# Altium PCB тройничок.PcbDoc (part 1 of 5)
Units mm, origin at the board's own origin, x right, y up, seen from the top; angles counter-clockwise.
Board outline 158.1 x 53.48 mm, 4 copper layers (Top Layer 1, Top Layer, Bottom Layer, Bottom Layer 1), stack 0.603 mm thick; 336 components, 130 nets, 2093 pads, 689 vias.
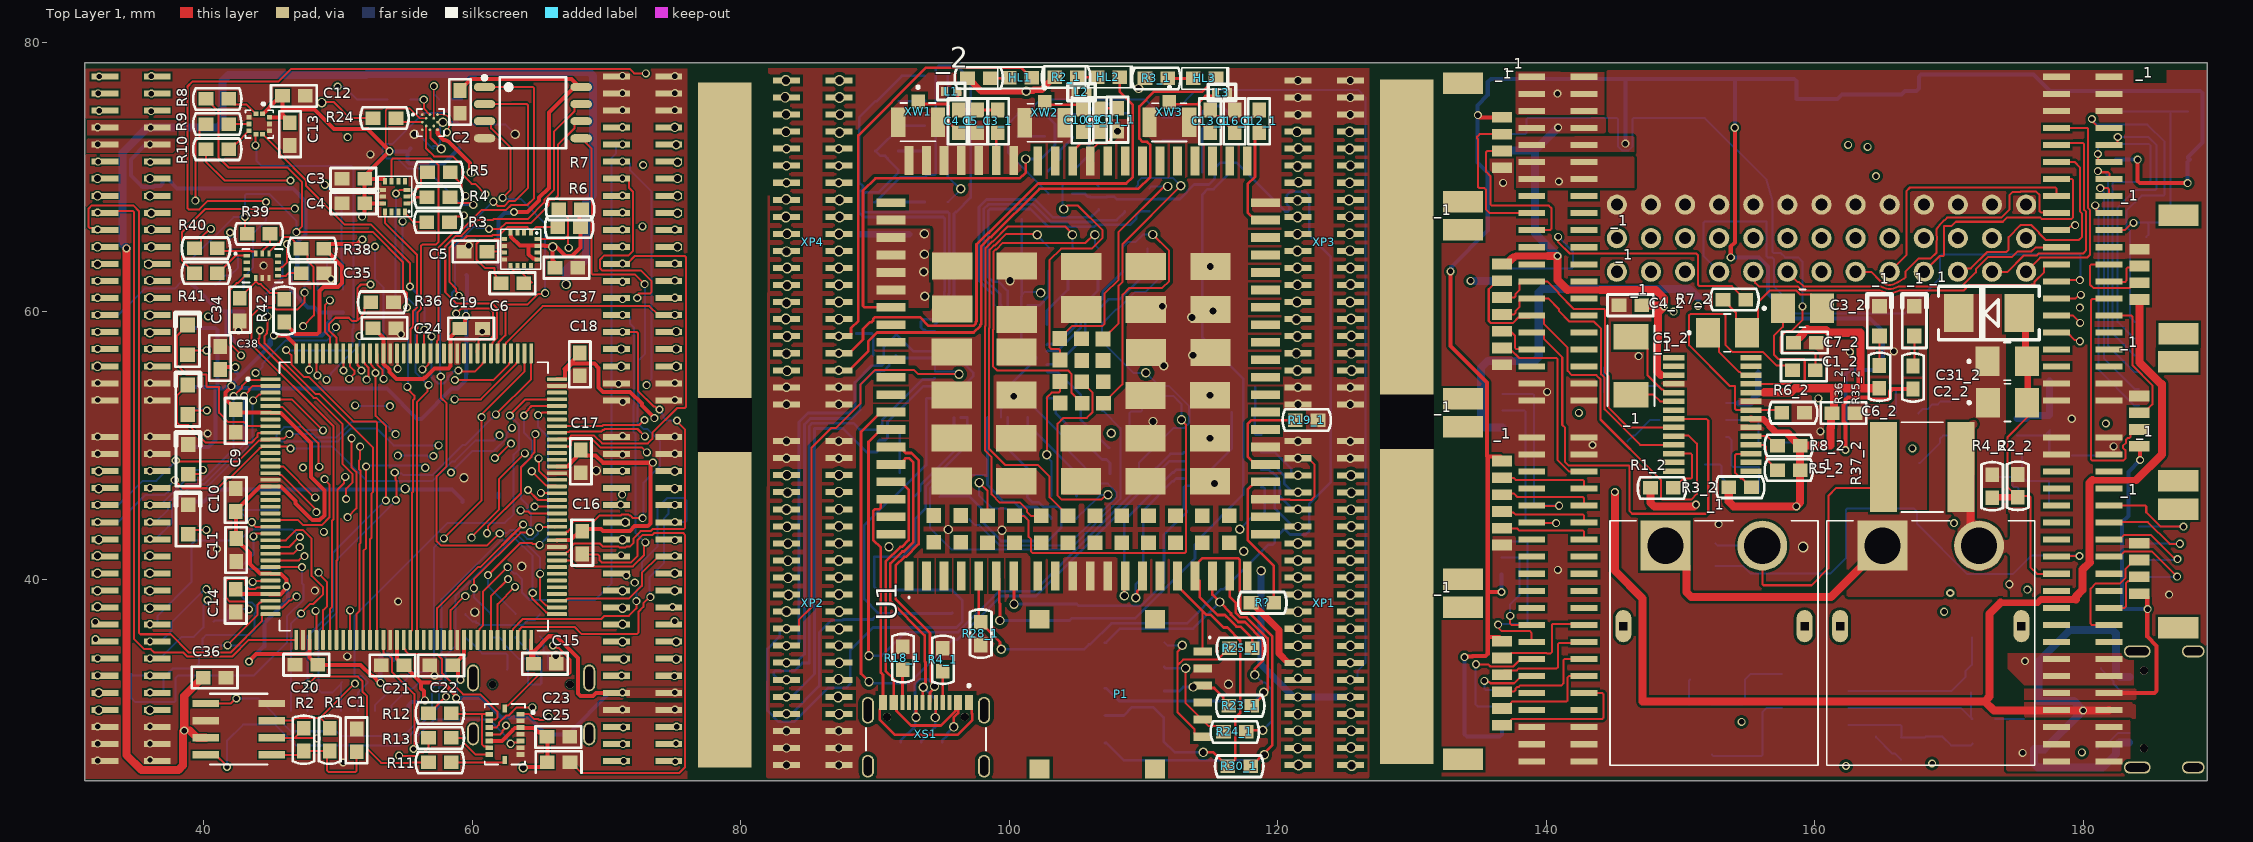
[diagram p0: Top Layer 1 view]
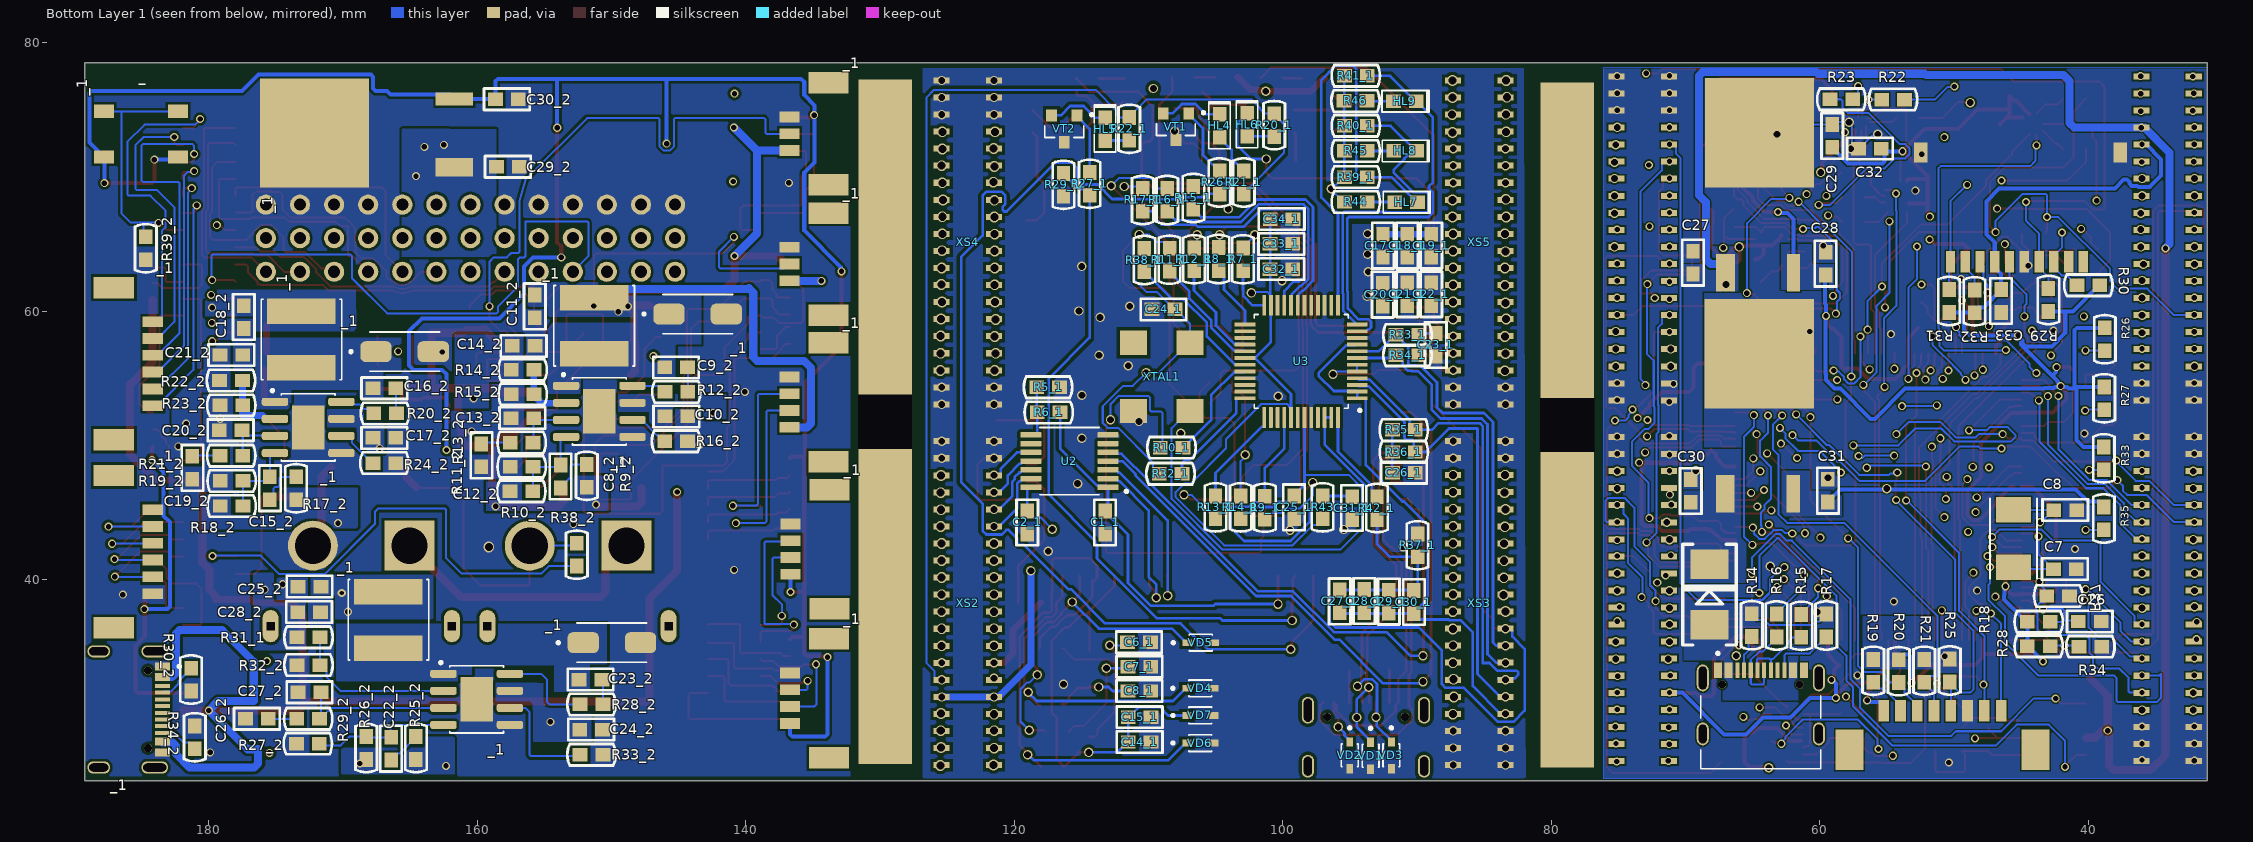
[diagram p1: Bottom Layer 1 view, seen from below]
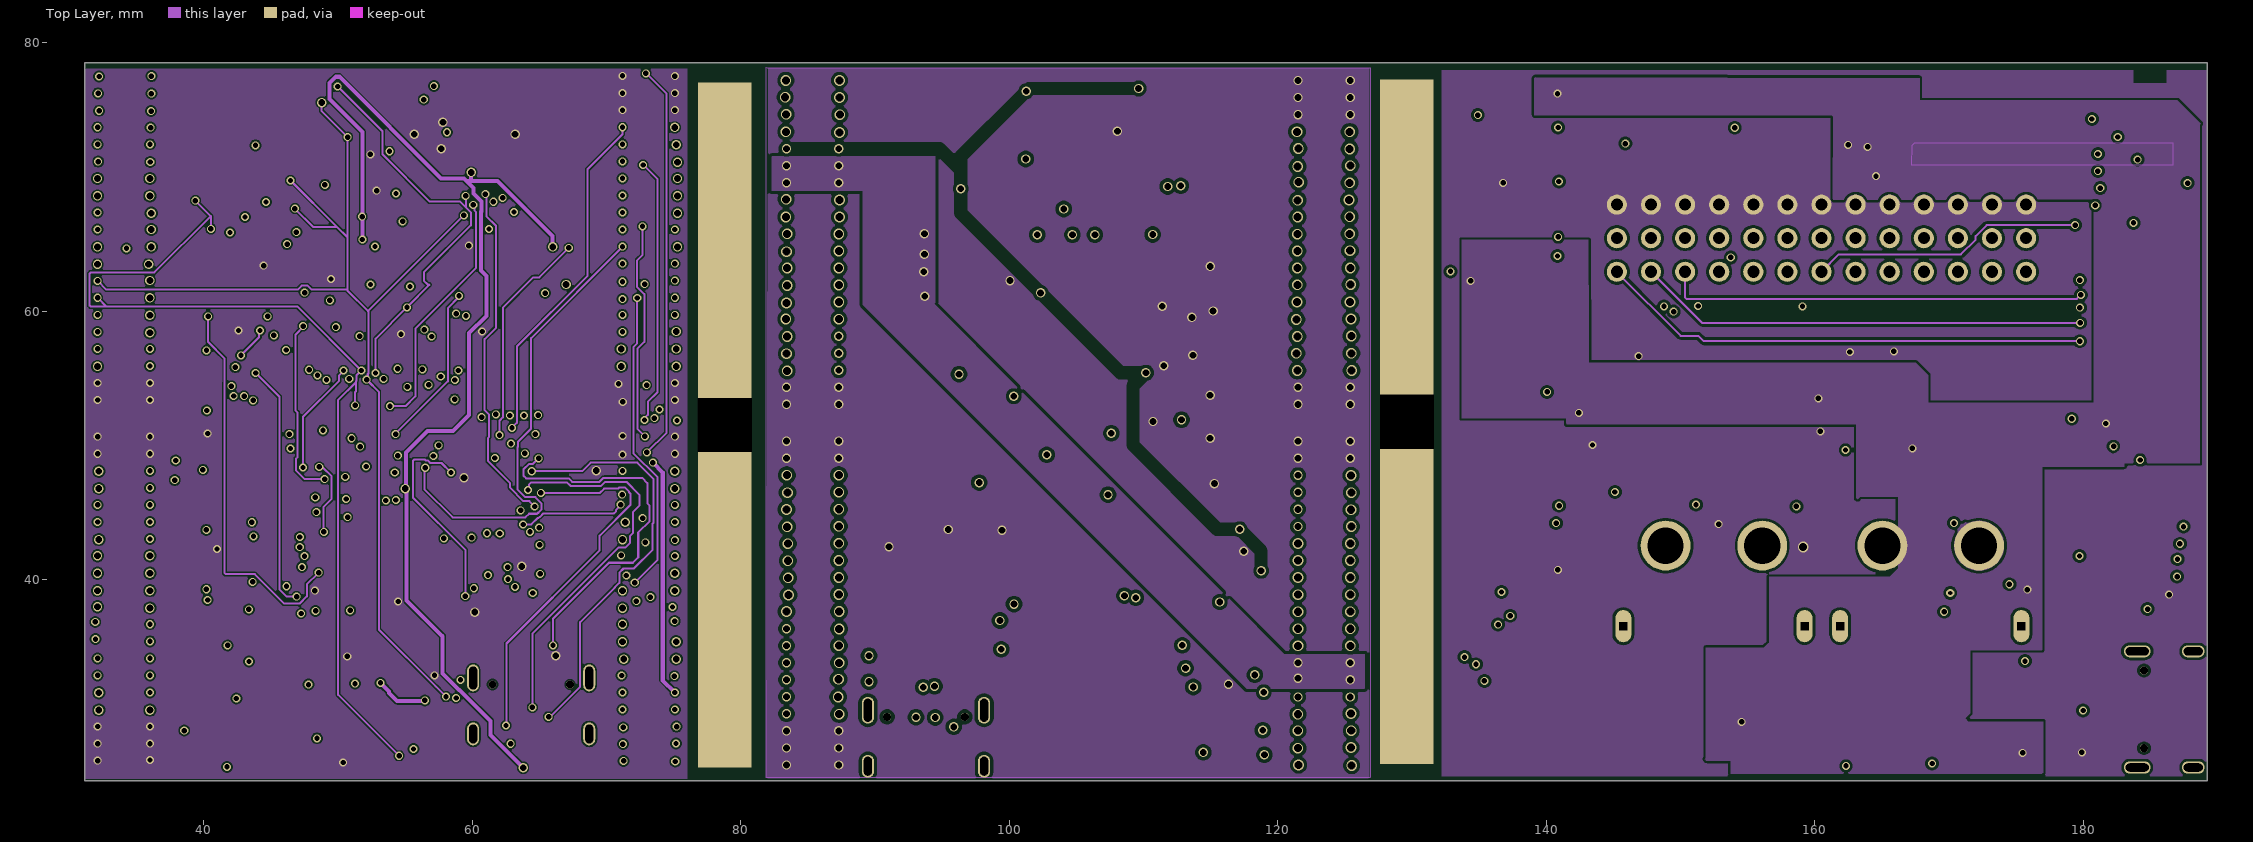
[diagram p2: Top Layer]
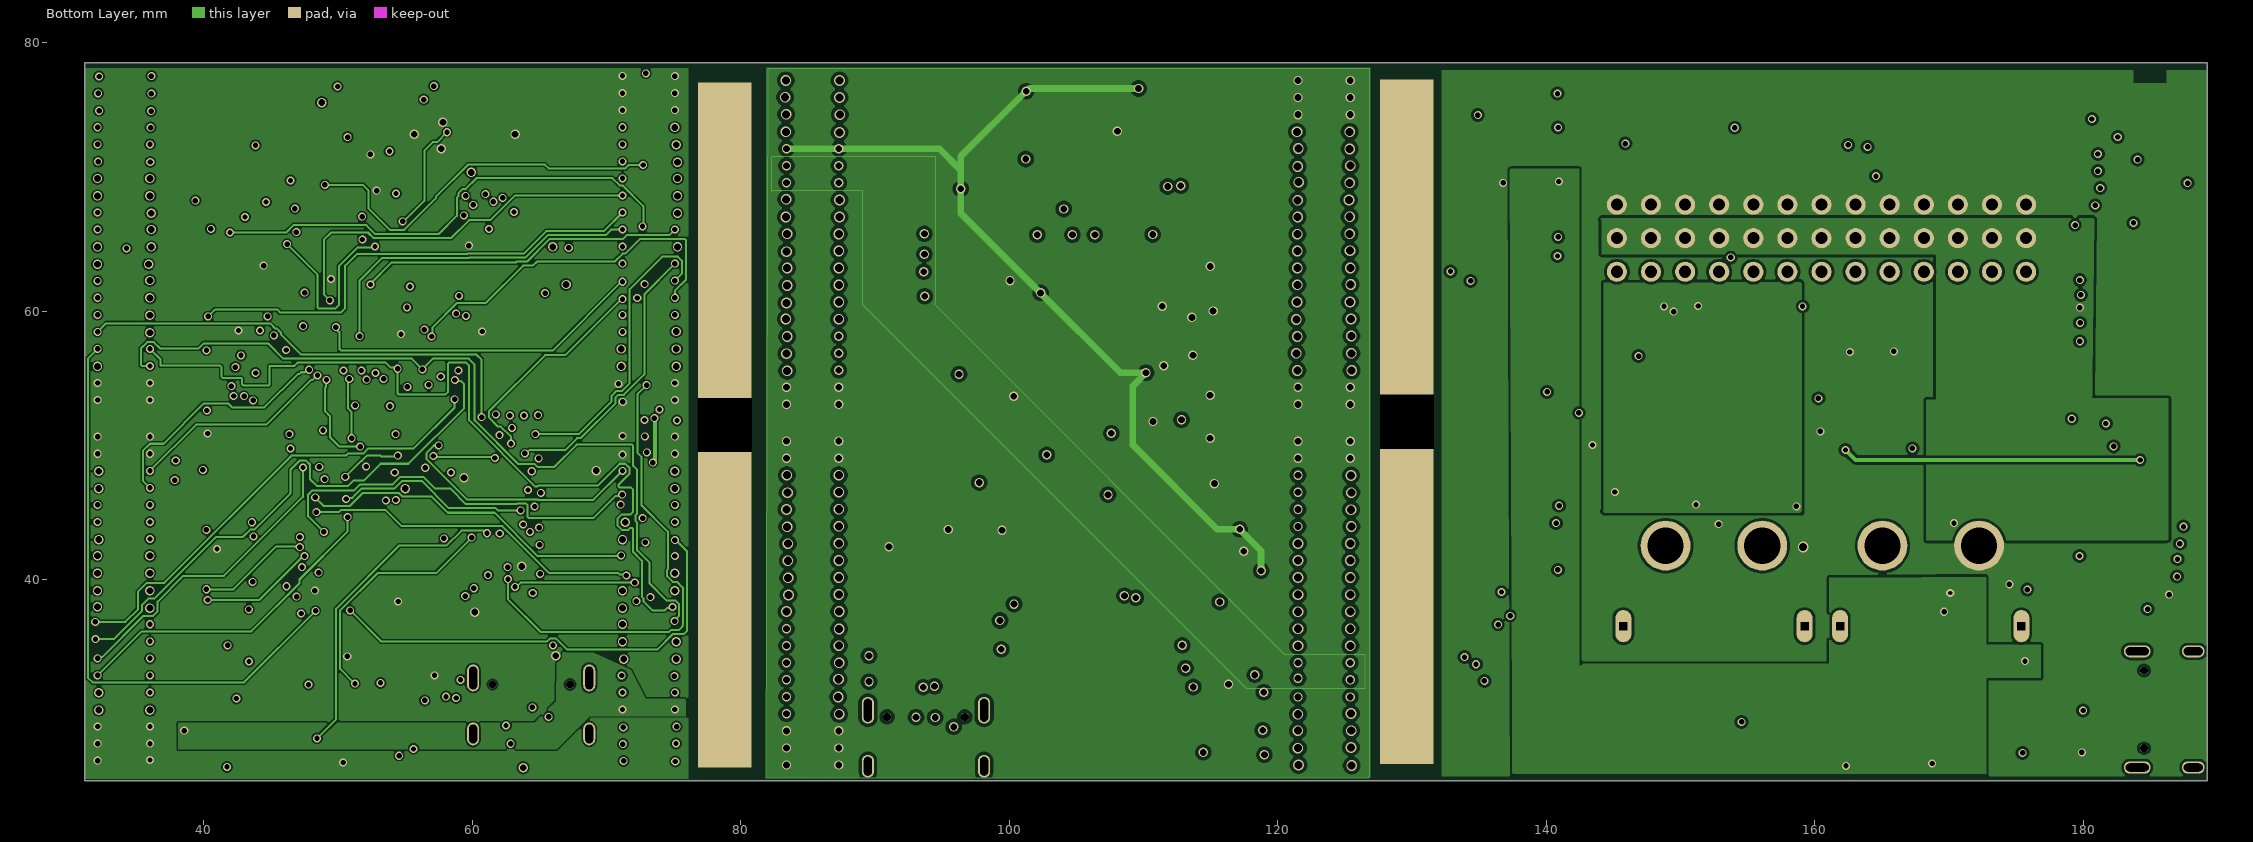
[diagram p3: Bottom Layer]
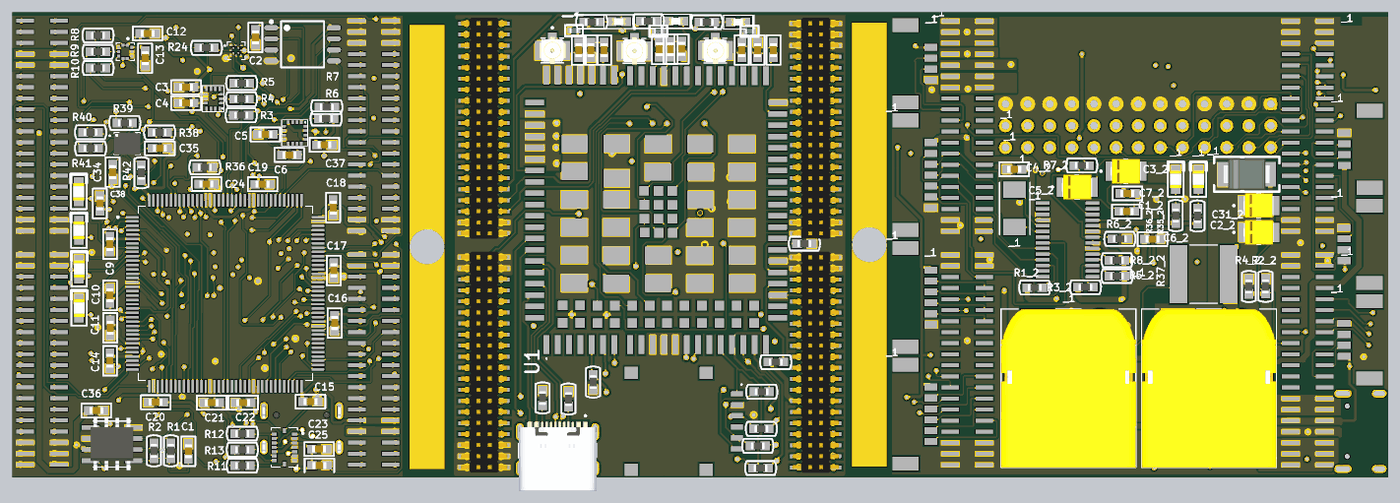
[diagram p8: 3D render of the assembled board from above, using the file's embedded part models]
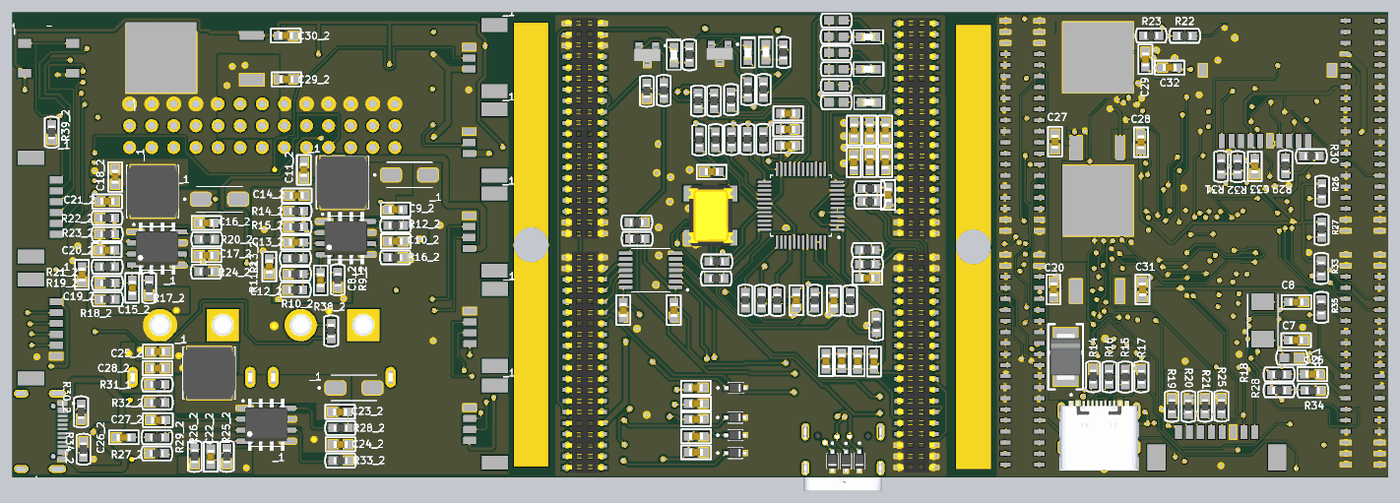
[diagram p9: 3D render of the assembled board from below, using the file's embedded part models]

## Layer stack, top to bottom
Top Solder: solder mask 0.0102, Solder Resist, Dk 3.5
Top Layer 1: signal copper 0.035
Dielectric 2: prepreg 0.0711, PP-006, Dk 4.1
Top Layer: signal copper 0.0356
Dielectric 1: dielectric 0.32, FR-4, Dk 4.8
Bottom Layer: signal copper 0.0356
Dielectric 3: prepreg 0.0711, PP-006, Dk 4.1
Bottom Layer 1: signal copper 0.035
Bottom Solder: solder mask 0.0102, Solder Resist, Dk 3.5

## Board outline
31.15,25.025 189.25,25.025 189.25,78.5 31.15,78.5

## Design rules (kind name [scope] priority, off if disabled: settings)
Clearance [All] p1: gap=0.125 ignorepadtopadclearanceinfootprint=FALSE except(0: Arc-Hole Track-Hole SMDPad-Hole THPad-Hole Via-Hole Fill-Hole Poly-Hole Region-Hole Text-Hole; 0.2: Arc-Region Track-Region SMDPad-Region THPad-Region Via-Region Fill-Region Poly-Region Region-Region)
PolygonConnect [All] p1: connectstyle=Direct reliefconductorwidth=0.254 reliefentries=4 polygonreliefangle="90 Angle" airgapwidth=0.254
RoutingVias [All] p1: holewidth=0.4 width=0.6 viastyle="Through Hole" minholewidth=0.4 minwidth=0.6 maxholewidth=0.4 maxwidth=0.6
SolderMaskExpansion [All] p1: expansion=0.102 istentingtop=FALSE
Width Width_5 [InNet('GND')] p1: maxlimit=0.6 minlimit=0.15 preferedwidth=0.15 minimp=50.000000 maximp=50.000000 favimp=50.000000
Width Width_4 [InNet('VCC')] p2: maxlimit=0.6 minlimit=0.6 preferedwidth=0.6 minimp=50.000000 maximp=50.000000 favimp=50.000000
Width Width_3 [InNet('5V')] p3: maxlimit=0.6 minlimit=0.5 preferedwidth=0.6 minimp=50.000000 maximp=50.000000 favimp=50.000000
Width Width_2 [InNet('3V3_SEN')] p4: maxlimit=0.3 minlimit=0.125 preferedwidth=0.3 minimp=50.000000 maximp=50.000000 favimp=50.000000
Width Width_1 [InNet('3V3')] p5: maxlimit=0.3 minlimit=0.3 preferedwidth=0.3 minimp=50.000000 maximp=50.000000 favimp=50.000000
Width [All] p6: maxlimit=0.15 minlimit=0.125 preferedwidth=0.15 minimp=50.000000 maximp=50.000000 favimp=50.000000
30 further rules are at their usual default settings.

## Classes and differential pairs
component class "верхняя плата версия 1": C1 C2 C3 C4 C5 C6 C7 C8 C9 C10 C11 C12 C13 C14 C15 C16 C17 C18 C19 C20 C21 C22 C23 C24 C25 C26 C27 C28 C29 C30 C31 C32 C33 C34 C35 C36 C37 C38 R1 R2 R3 R4 R5 R6 R7 R8 R9 R10 R11 R12 R13 R14 R15 R16 R17 R18 R19 R20 R21 R22 R23 R24 R25 R26 R27 R28 R29 R30 R31 R32 R33 R34 R35 R36 R37 R38 R39 R40 R41 R42

## Components (designator, comment, footprint, x,y, rotation, side; value= is the part's Value field where it differs from the comment)
_1 "AT7456" at7456 152.302,51.776 r0 top (schematic designator AT)
_1 "B340A-13-F" DIOM5226X240N 143.59,59.8 r180 bottom (schematic designator D1)
_1 "B340A-13-F" DIOM5226X240N 165.415,57 r180 bottom (schematic designator D2)
_1 "B340A-13-F" DIOM5226X240N 149.975,35.325 r180 bottom (schematic designator D3)
_1 "MP1584EN" SOIC127P600X170-9N 150.918,52.55 r180 bottom (schematic designator DC1)
_1 "MP1584EN" SOIC127P600X170-9N 172.6,51.355 r180 bottom (schematic designator DC2)
_1 "MP1584EN" SOIC127P600X170-9N 160.05,31.1 r180 bottom (schematic designator DC3)
_1 "SERVO" SERV 160.383,67.95 r0 top (schematic designator GND)
_1 "12.3 uH" IND_VLS6045EX-150M 151.3,58.925 r90 bottom (schematic designator L1)
_1 "12.3 uH" IND_VLS6045EX-150M 173.1,57.9 r90 bottom (schematic designator L2)
_1 "12.3 uH" IND_VLS6045EX-150M 166.625,37.025 r90 bottom (schematic designator L3)
_1 "Text" LD0805 164.825,59.275 r90 top (schematic designator LED1)
_1 "Text" LD0805 167.425,59.275 r90 top (schematic designator LED2)
_1 "SERVO" SERV 160.383,62.95 r0 top (schematic designator SIGNAL)
_1 "TYPE-C-31-M-12" HRO_TYPE-C-31-M-12#1 188.2,30.35 r270 bottom (schematic designator TYPE-C)
_1 "SERVO" SERV 160.383,65.45 r0 top (schematic designator VCC)
_1 "PLLD-1.27-40S" "Headr 2x20 male" 140.872,65.624 r0 top (schematic designator XP1)
_1 "PLLD-1.27-40S" "Headr 2x20 Male" 179.972,65.624 r0 top (schematic designator XP2)
_1 "PLLD-1.27-40S" "Headr 2x20 male" 140.872,38.764 r0 top (schematic designator XP3)
_1 "PLLD-1.27-40S" "Headr 2x20 Male" 179.972,38.764 r0 top (schematic designator XP4)
_1 "XT60PW-M" AMASS_XT60PW-M 152.5,36.55 r180 top (schematic designator XT2)
_1 "ABM7-8.000MHZ-8-R80-D2Y-T" XTAL_ABM7-8.000MHZ-8-R80-D2Y-T 146.325,55.95 r90 top (schematic designator Y1)
_1 "SW-PB" TD-16EA 185.325,73.425 r180 bottom locked (schematic designator S1)
_1 "КФ1158Н" ТО-263 162.727,70.608 r90 bottom (schematic designator LDO)
_1 "XT60PW-M" AMASS_XT60PW-M 168.65,36.55 r180 top (schematic designator XT1)
_1 "Header 1x6" "PicoBlade 6pin" 135.05,32.36 r270 top (schematic designator ADC)
_1 "Header 1x4" "PicoBlade 4pin" 185.725,62.715 r90 top (schematic designator CAN1)
_1 "Header 1x6" "PicoBlade 6pin" 185.825,56.16 r270 bottom (schematic designator ENET)
_1 "Header 1x6" "PicoBlade 6pin" 135.05,45.785 r270 top (schematic designator GPIO)
_1 "I2C 1x4" "PicoBlade 4pin" 135.225,53.2 r90 bottom (schematic designator I2C)
_1 "IN 1x3" "PicoBlade 3pin" 134.1,73.265 r90 bottom (schematic designator IN)
_1 "OUT 1x3" "PicoBlade 3pin" 134.1,63.565 r90 bottom (schematic designator OUT)
_1 "SPI 1x7" "PicoBlade 7pin" 136.675,59.81 r270 top (schematic designator SPI)
_1 "UART 1x4" "PicoBlade 4pin" 135.15,42.25 r90 bottom (schematic designator UART3)
_1 "UART 1x4" "PicoBlade 4pin" 185.7,51.79 r90 top (schematic designator UART4)
_1 "UART 1x4" "PicoBlade 4pin" 135.175,31.15 r90 bottom (schematic designator USART0)
_1 "UART 1x4" "PicoBlade 4pin" 135.175,72.61 r270 top (schematic designator USART1)
_1 "UART 1x6" "PicoBlade 6pin" 185.825,42.16 r270 bottom (schematic designator USART2)
_1 "UART 1x4" "PicoBlade 4pin" 185.7,40.815 r90 top (schematic designator USART5)
_1 "Schottky" DO-214AA 172.975,59.875 r180 top (schematic designator VD1)
_2 "1k" R0603 97.741,77.374 r180 top (schematic designator R1)
C1 "47 nF" C0603 51.4,28.05 r270 top
C1_1 "0.1uF" C0603 113.241,44.274 r90 bottom (schematic designator C1)
C1_2 "Capacitor" C0603 159.2,55.6 r0 top (schematic designator C1)
C2 "100 nF" C0603 59.1,75.6 r90 top
C2_1 "0.1uF" C0603 119.041,44.274 r90 bottom (schematic designator C2)
C2_2 "T493B105K025BC6120" CAPPM3528X210N 174.365,53.2 r0 top (schematic designator C2)
C3 "100 nF" C0603 51.15,69.875 r0 top
C3_1 "33pF" C0603 99.166,74.149 r270 top (schematic designator C3)
C3_2 "T493B105K025BC6120" CAPPM3528X210N 159.1,60.225 r0 top (schematic designator C3)
C4 "100 nF" C0603 51.15,68.05 r0 top
C4_1 "33pF" C0603 96.241,74.149 r90 top (schematic designator C4)
C4_2 "Capacitor" C0603 146.275,60.45 r180 top (schematic designator C4)
C5 "4.7 uF" C0603 60.25,64.45 r0 top
C5_1 "N/A" C0603 97.642,74.149 r90 top (schematic designator C5)
C5_2 "T493B105K025BC6120" CAPPM3528X210N 153.5,58.4 r0 top (schematic designator C5)
C6 "0.22 uF" C0603 63,62.1 r0 top
C6_1 "33pF" C0603 110.716,35.349 r0 bottom (schematic designator C6)
C6_2 "Capacitor" C0603 162.15,52.425 r0 top (schematic designator C6)
C7 "22 pF" C0603 41.75,40.8 r0 bottom
C7_1 "33pF" C0603 110.691,33.524 r0 bottom (schematic designator C7)
C7_2 "Capacitor" C0603 159.275,57.675 r0 top (schematic designator C7)
C8 "22 pF" C0603 41.725,45.2 r0 bottom
C8_1 "33pF" C0603 110.691,31.724 r0 bottom (schematic designator C8)
C8_2 "22 pF" C0603 153.8,47.7 r90 bottom (schematic designator C8)
C9 "100 nF" C0603 42.4,51.85 r90 top
C9_1 "33pF" C0603 106.791,74.249 r270 top (schematic designator C9)
C9_2 "0.1 uF" C0603 145.2,55.825 r0 bottom (schematic designator C9)
C10 "100 nF" C0603 42.4,45.95 r270 top
C10_1 "33pF" C0603 105.466,74.224 r270 top (schematic designator C10)
C10_2 "0.1 uF" C0603 145.175,52.175 r0 bottom (schematic designator C10)
C11 "100 nF" C0603 42.425,42.225 r90 top
C11_1 "N/A" C0603 108.066,74.274 r90 top (schematic designator C11)
C11_2 "22 uF" C0603 155.725,60.375 r270 bottom (schematic designator C11)
C12 "100 nF" C0603 46.725,76.05 r180 top
C12_1 "33pF" C0603 118.617,74.149 r270 top (schematic designator C12)
C12_2 "330 pF" C0603 159.7,49.275 r270 bottom (schematic designator C12)
C13 "100 nF" C0603 46.425,73.2 r90 top
C13_1 "33pF" C0603 114.967,74.149 r90 top (schematic designator C13)
C13_2 "1 pF" C0603 156.65,52.05 r0 bottom (schematic designator C13)
C14 "100 nF" C0603 42.4,38.45 r90 top
C14_1 "0.1uF" C0603 110.666,27.924 r0 bottom (schematic designator C14)
C14_2 "4.7 uF" C0603 156.55,57.425 r0 bottom (schematic designator C14)
C15 "100 nF" C0603 65.425,33.75 r180 top
C15_1 "1uF" C0603 110.666,29.774 r0 bottom (schematic designator C15)
C15_2 "22 pF" C0603 175.45,46.825 r90 bottom (schematic designator C15)
C16 "100 nF" C0603 68.2,42.775 r90 top
C16_1 "N/A" C0603 116.792,74.149 r270 top (schematic designator C16)
C16_2 "0.1 uF" C0603 166.925,54.275 r0 bottom (schematic designator C16)
C17 "100 nF" C0603 68.1,48.825 r90 top
C17_1 "0.1uF" C0603 92.541,64.899 r90 bottom (schematic designator C17)
C17_2 "0.1 uF" C0603 166.925,50.575 r0 bottom (schematic designator C17)
C18 "100 nF" C0603 68.025,56.05 r90 top
C18_1 "33pF" C0603 90.741,64.899 r90 bottom (schematic designator C18)
C18_2 "22 uF" C0603 177.4,59.575 r270 bottom (schematic designator C18)
C19 "100 nF" C0603 59.925,58.725 r180 top
C19_1 "10pF" C0603 88.941,64.899 r90 bottom (schematic designator C19)
C19_2 "330 pF" C0603 181.225,48.35 r270 bottom (schematic designator C19)
C20 "100 nF" C0603 47.65,33.675 r0 top
C20_1 "0.1uF" C0603 92.566,61.249 r90 bottom (schematic designator C20)
C20_2 "1 pF" C0603 178.375,51.15 r0 bottom (schematic designator C20)
C21 "100 nF" C0603 54.075,33.625 r0 top
C21_1 "33pF" C0603 90.741,61.274 r90 bottom (schematic designator C21)
C21_2 "4.7 uF" C0603 178.325,56.75 r0 bottom (schematic designator C21)
C22 "100 nF" C0603 57.7,33.625 r0 top
C22_1 "10pF" C0603 88.941,61.274 r90 bottom (schematic designator C22)
C22_2 "22 pF" C0603 166.425,27.425 r90 bottom (schematic designator C22)
C23 "100 nF" C0603 66.425,28.3 r180 top
C23_1 "100nF" C0603 88.616,57.499 r270 bottom (schematic designator C23)
C23_2 "0.1 uF" C0603 151.575,32.575 r0 bottom (schematic designator C23)
C24 "100 nF" C0603 53.475,58.75 r180 top
C24_1 "10nF" C0603 108.891,60.149 r0 bottom (schematic designator C24)
C24_2 "0.1 uF" C0603 151.525,28.85 r0 bottom (schematic designator C24)
C25 "100 nF" C0603 66.45,26.425 r180 top
C25_1 "15pF" C0603 99.166,45.399 r270 bottom (schematic designator C25)
C25_2 "33 uF" C0603 172.5,39.5 r0 bottom (schematic designator C25)
C26 "100 nF" C0603 39.9,36.9 r0 bottom
C26_1 "100nF" C0603 90.991,47.974 r180 bottom (schematic designator C26)
C26_2 "330 pF" C0603 176.425,29.65 r0 bottom (schematic designator C26)
C27 "0.1 uF" C0603 69.45,63.625 r270 bottom
C27_1 "1uF" C0603 95.766,38.399 r90 bottom (schematic designator C27)
C27_2 "2 pF" C0603 172.5,31.625 r0 bottom (schematic designator C27)
C28 "10 uF" C0603 59.575,63.55 r270 bottom
C28_1 "10uF" C0603 93.941,38.424 r90 bottom (schematic designator C28)
C28_2 "4.7 uF" C0603 172.525,37.6 r0 bottom (schematic designator C28)
C29 "100 nF" C0603 59.075,73.075 r270 bottom
C29_1 "100nF" C0603 92.116,38.374 r90 bottom (schematic designator C29)
C29_2 "0.1 uF" C0603 157.725,70.775 r0 bottom (schematic designator C29)
C30 "0.1 uF" C0603 69.625,46.625 r270 bottom
C30_1 "1uF" C0603 90.241,38.349 r90 bottom (schematic designator C30)
C30_2 "10 uF" C0603 157.8,75.8 r0 bottom (schematic designator C30)
C31 "10 uF" C0603 59.4,46.65 r270 bottom
C31_1 "1uF" C0603 94.841,45.349 r270 bottom (schematic designator C31)
C31_2 "T493B105K025BC6120" CAPPM3528X210N 174.35,56.275 r0 top (schematic designator C31)
C32 "100 nF" C0603 56.275,72.125 r180 bottom
C32_1 "10uF" C0603 100.116,63.149 r0 bottom (schematic designator C32)
C33 "0.1 uF" C0603 46.5,60.775 r90 bottom
C33_1 "1uF" C0603 100.116,65.024 r0 bottom (schematic designator C33)
C34 "100 nF" C0603 42.7,60.125 r90 top
C34_1 "100nF" C0603 100.091,66.874 r0 bottom (schematic designator C34)
C35 "100 nF" C0603 48.125,62.85 r180 top
C36 "100 nF" C0603 40.825,32.725 r0 top
C37 "100 nF" C0603 67.025,63.25 r180 top
C38 "100 nF" C0603 41.225,56.525 r90 top
CAN1 "TJA1040T" SO-8_S 42.625,28.875 r0 top